# KiCad board coleco_original_main_only.kicad_pcb (continued)
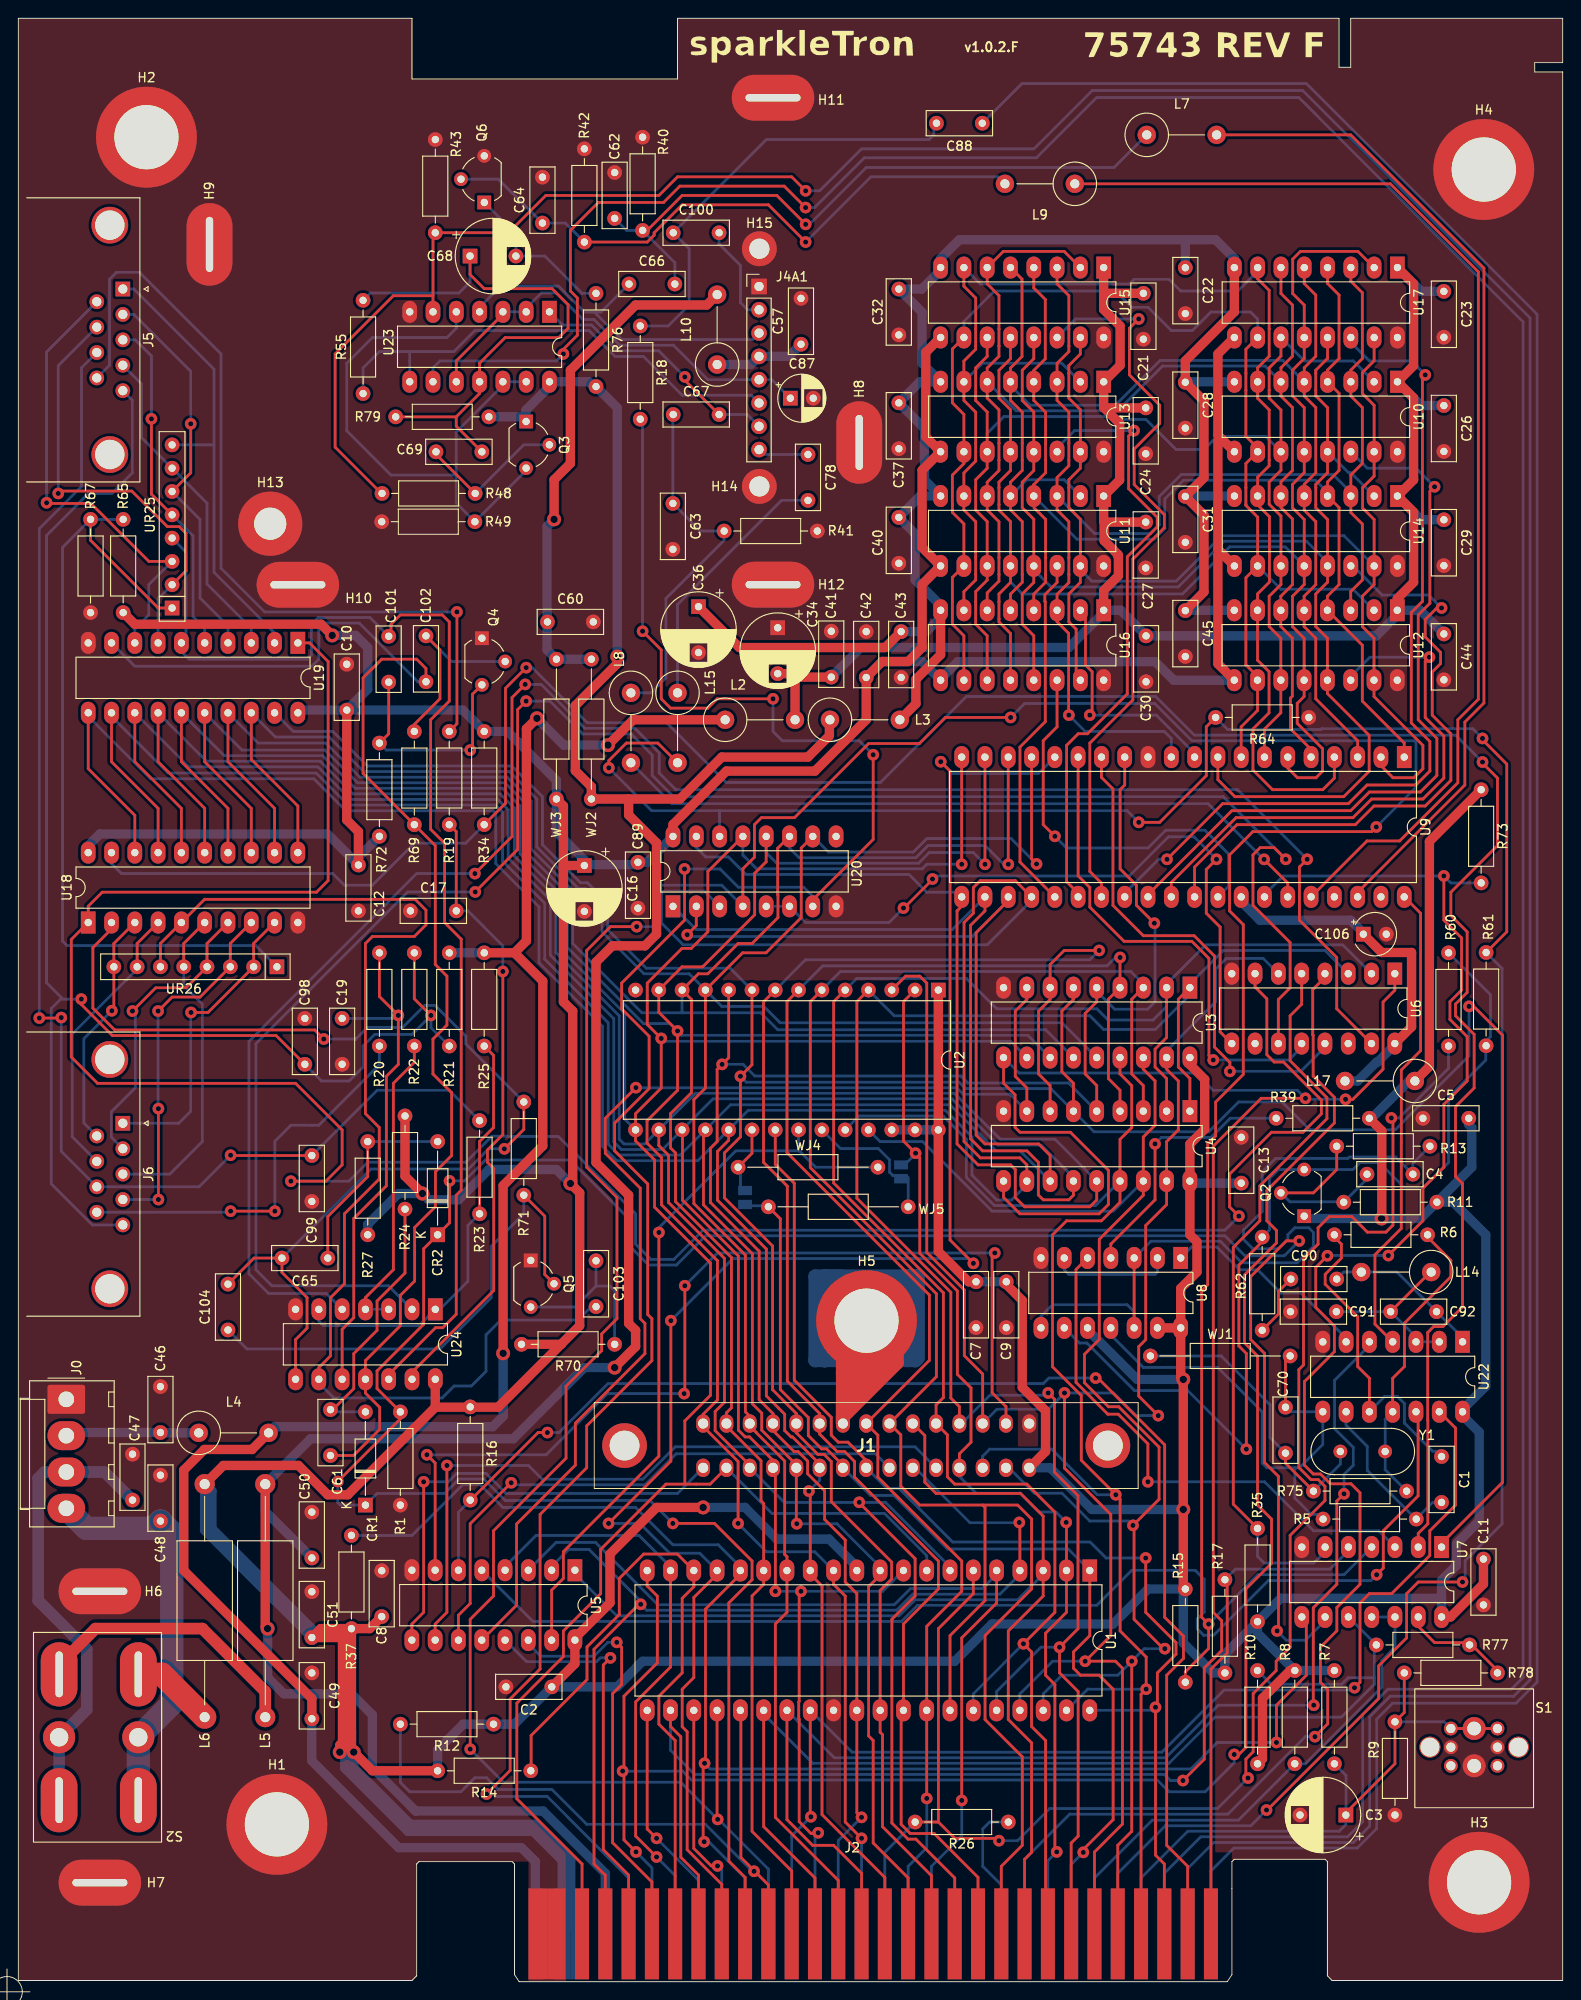
[diagram p0: board, top side]
## Routing (per net, layer and track width the routed paths; a pad name or vN(x,y) marks a point on that pad's centre or on a via; arc(x,y) is an arc through that point) (continued)
/clock_reset_misc_logic/RFSH: length 131.8
  Top w0.305: v1(148.12,44.36) 148.84,45.09 148.84,49.15 152.64,52.95 152.64,61.88 U22.12
  Bottom w0.305: U5.5 56.11,39.26 96.29,39.26 98.04,41.02 117.6,41.02 121.41,44.83 128.34,44.83 129.32,43.85 129.32,40.29 128.56,39.53 128.56,38.45 129.25,37.75 130.34,37.75 136.31,43.72 147.48,43.72 v1(148.12,44.36)
/clock_reset_misc_logic/SND_CLK: length 278.2
  Top w0.305: v1(159.66,135.51) 159.66,135.36 162.31,132.72 162.31,114.43 R61.1 ; v1(122.17,126.37) 124.46,126.37 129.54,131.44 129.54,136.78 R64.2 ; v1(64.39,132.3) 64.39,133.1 66.29,135 69.74,135 L15.2 ; v1(157.48,43.56) 152.65,43.56 151.38,42.29 151.38,37.47 148.34,34.42 148.34,30.86 136.18,18.7 v1(136.11,18.7)
  Bottom w0.305: 76.45,127.64 69.06,127.64 v1(64.39,132.3) ; 76.45,127.64 120.9,127.64 v1(122.17,126.37) ; 76.45,127.64 76.47,127.62 U20.14 ; v1(157.48,43.56) 157.77,43.85 157.77,45.88 161.8,49.91 161.8,110.43 160.02,112.21 ; J2.35 119.89,11.81 125.07,17 134.4,17 v1(136.11,18.7) ; v1(159.66,135.51) 158.6,136.58 142.14,136.58 142.03,136.47 131.88,136.47 R64.2
/clock_reset_misc_logic/VDP_CLK: length 52.1
  Top w0.305: U9.40 152.91,116.45 152.91,101.47 150.81,99.37 150.81,91.48 150.81,91.48 150.81,82.1 147.93,79.22 147.93,71.67 U22.4
/clock_reset_misc_logic/~{CLK}: length 181
  Top w0.305: v1(149.72,94.14) 149.89,93.96 149.89,82.46 149.13,81.69 147.1,81.69 145.41,83.39 142.95,83.39 141.73,82.17 141.73,80.39 140.14,78.8 140.14,67.22 139.63,66.71 139.63,56.04 140.95,54.72 141.74,54.72 142.48,53.99 142.48,52.44 138.68,48.64 138.68,36.45 137.16,34.93 137.16,33.91 134.65,31.4 134.65,25.05 133.86,24.26 133.86,22.43 v1(134.09,22.2) ; R26.2 100.33,17.4 ; U1.6 104.14,42.29 100.33,38.48 100.33,17.4 ; 100.33,17.4 102.11,15.62 106.68,15.62 v1(106.93,15.37)
  Bottom w0.305: J2.45 94.49,14.1 R26.2 ; v1(149.72,94.14) 150.56,94.14 155.96,99.54 R60.1 ; v1(106.93,15.37) 108.97,15.37 112.47,18.87 130.76,18.87 134.08,22.2 v1(134.09,22.2)
/clock_reset_misc_logic/~{CTRL_READ_2}: length 275.1
  Top w0.305: U7.2 152.65,48.86 153.7,49.91 153.7,61.18 153.69,61.2 153.69,70.76 154.33,71.4 155.34,71.4 157.48,73.53 157.48,87 156.72,87.76 156.72,95.38 158.75,97.41 158.75,103.25 156.72,105.28 156.72,106.55 157.99,107.82 157.99,114.43 156.21,116.21 156.21,118.75 161.29,123.83 161.29,131.19 159.66,132.82 v1(159.66,132.93) ; v1(55.38,143.22) 55.37,143.22 53.12,140.97 53.12,128.43 R34.1
  Bottom w0.305: U18.19 10.16,121.86 11.24,120.78 34.29,120.78 35.56,119.51 38.61,119.51 43.18,124.08 48.77,124.08 R34.1 ; v1(159.66,132.93) 156.73,135.86 128.24,135.86 124.02,140.08 103.38,140.08 94.01,130.72 77.18,130.72 70.68,137.22 62.05,137.22 56.04,143.22 v1(55.38,143.22)
/clock_reset_misc_logic/~{INT}: length 171.3
  Top w0.305: U7.8 140.45,39.26 140.45,33.39 137.19,30.13 v1(137.19,26.07) ; v1(74.79,15.25) 74.68,15.36 74.68,23.64 v1(74.83,23.8) 74.93,23.9 74.93,40.61 78.73,44.41 U1.16
  Bottom w0.305: R37.2 42.93,48.64 48.46,54.18 50.34,54.18 52.83,51.69 67.31,51.69 71.37,47.62 76.32,47.62 78.73,45.21 U1.16 ; v1(74.79,15.25) 75.3,15.25 79.25,11.3 J2.51 ; v1(74.83,23.8) 75.44,23.19 127.85,23.19 130.73,26.07 v1(137.19,26.07)
/clock_reset_misc_logic/~{M1}: length 134.9
  Top w0.305: J2.15 91.95,11.81 88.9,14.86 86.61,14.86 83.81,17.66 U1.27 ; v1(141.26,30.13) 141.21,30.18 141.21,40.75 143.78,43.32 143.78,52.39 v1(144.56,53.17)
  Bottom w0.305: v1(144.56,53.17) 144.56,55.28 145.58,56.3 145.58,58.23 143.53,60.28 143.53,65.54 147.33,69.34 U22.5 ; v1(141.26,30.13) 130.84,30.13 125.12,24.41 88.98,24.41 U1.27
/clock_reset_misc_logic/~{RESET}: length 122.5
  Top w0.305: J2.13 86.87,11.3 81.28,16.9 U1.26
  Bottom w0.305: 147.86,32.42 147.86,36.48 R77.2 U7.10 ; 147.86,32.42 144.27,28.83 130.5,28.83 125.47,23.8 125.22,23.8 86.65,23.8 81.28,29.17 U1.26 ; 147.86,32.42 147.86,33.13 145.02,33.13 144.31,32.42 136.62,32.42 R10.2
/clock_reset_misc_logic/~{RFSH}: length 126.2
  Top w0.305: U1.28 86.36,18.04 v1(86.42,17.97) ; v1(145.7,32.04) 146.3,32.64 146.3,41.28 147.32,42.29 149.75,42.29 153.91,46.45 153.91,49.14 156.72,51.94 156.72,60.34 U22.13
  Bottom w0.305: J2.49 84.33,15.88 v1(86.42,17.97) ; U1.28 90.91,25.02 124.71,25.02 131.48,31.78 145.45,31.78 v1(145.7,32.04)
/clock_reset_misc_logic/~{WAIT}: length 407.6
  Top w0.305: R15.2 127.25,33.77 129.79,36.31 v1(129.79,38.97) 129.03,39.73 129.03,75.31 129.69,75.97 129.69,91.31 130.56,92.17 130.56,95.87 133.58,98.89 133.58,115.22 132.08,116.71 132.08,122.81 134.62,125.35 147.57,125.35 v1(148.08,125.86) ; v1(67.43,114.99) 64.57,114.99 61.98,112.4 61.98,88.77 65.28,85.47 65.28,72.26 63.61,70.59 63.61,68.78 59.72,64.89 59.72,57.06 51.81,49.15 51.81,42.03 49.27,39.49 v1(49.27,25.34) ; v1(76.26,17.69) 76.2,17.75 U1.24 ; v1(108.2,137.8) 101.09,137.8 98.25,134.95 92.71,134.95 84.64,126.87 81.03,126.87 80.27,126.11 80.27,122.56 79.01,121.3 U20.4
  Bottom w0.305: v1(49.27,25.34) 52.89,21.73 72.22,21.73 v1(76.26,17.69) 76.36,17.69 81.79,12.26 J2.50 ; U20.4 76.71,119.51 69.63,119.51 69.52,119.4 69.52,115.37 69.15,114.99 v1(67.43,114.99) ; U7.4 144.56,44.36 135.16,44.36 129.79,38.99 v1(129.79,38.97) ; v1(108.2,137.8) 109.73,139.32 123.92,139.32 127.98,135.25 152.26,135.25 152.4,135.12 152.4,130.18 v1(148.08,125.86)
/controller/~{CTRL_EN_1}: length 215.8
  Top w0.305: v1(138.21,122.34) 136.94,123.61 135.42,123.61 134.63,122.82 134.63,117.32 138.68,113.26 138.68,108.33 137.4,107.05 U6.11 ; v1(49.82,118.78) 54.44,123.4 54.44,138.64 v1(55.37,139.57)
  Bottom w0.305: v1(55.37,139.57) 57.97,139.57 61.54,136 66.82,136 69.12,133.7 69.12,131.48 71.44,129.16 131.39,129.16 v1(138.21,122.34) ; v1(49.82,118.78) 42.45,118.78 25.91,102.24 25.91,77.6 27.65,75.85 40.35,75.85 U24.2
/controller/~{CTRL_EN_2}: length 210.4
  Top w0.305: U6.15 143.76,106.05 143.76,111.64 139.7,115.7 139.7,121.49 v1(140.54,122.34) ; v1(55.27,141.4) 53.83,139.96 53.83,124.83 v1(49.78,120.78)
  Bottom w0.305: v1(140.54,122.34) 132.95,129.92 71.7,129.92 69.88,131.73 69.88,133.95 67.23,136.61 61.79,136.61 57,141.4 v1(55.27,141.4) ; v1(49.78,120.78) 43.43,120.78 25.15,102.49 25.15,77.16 27.3,75.01 33.58,75.01 U24.5
/controller/~{CTRL_READ}: length 267
  Top w0.305: U6.7 134.86,108.41 136.14,107.13 136.14,101.04 136.94,100.24 137.96,100.24 138.96,99.23 138.96,99.21 142.09,96.09 142.09,94.59 140.08,92.58 136.65,92.58 132.08,88.01 132.08,84.46 v1(133.1,83.44) ; U19.1 31.75,145.92 33.78,143.89 33.78,120.02 32.51,118.75 9.14,118.75 7.62,117.22 U18.1 5.77,113.6 5.77,100.78 8.64,97.92 30.23,97.92 35.31,92.84 35.31,89.03 33.53,87.25 v1(29.72,87.25)
  Bottom w0.305: v1(133.1,83.44) 131.57,81.91 74.68,81.91 71.48,78.71 68.99,78.71 67.31,80.39 67.31,83.69 58.88,92.12 53.37,92.12 53.35,92.14 51.63,92.14 48.8,89.31 38.1,89.31 36.04,87.25 v1(29.72,87.25)
/cpu/A0: length 205.7
  Top w0.305: U3.5 117.59,106.8 116.33,105.54 116.33,98.93 117.59,97.67 U4.5 ; U2.10 77.46,100.7 v1(76.74,99.98) 76.2,99.44 76.2,91.57 75.47,90.84 75.47,84.93 80.78,79.62 80.78,63.43 82.3,61.92 J1.7 82.3,60.07 84.58,57.78 85.02,57.78 86.07,56.73 86.07,55.36 87.92,53.51 87.92,50.38 90.17,48.13 90.17,43.56 91.44,42.3 U1.30 91.44,18.42 v1(91.95,17.91) ; v1(123.88,115.37) 121.92,117.32 121.92,119.51 120.14,121.29 120.14,129.92 120.65,130.42 U9.13
  Bottom w0.305: v1(91.95,17.91) 89.41,15.37 J2.47 ; v1(123.88,115.37) 123.95,115.29 123.95,106.81 123.14,105.99 119.54,105.99 117.59,107.95 U3.5 ; U4.5 114.53,97.95 103.53,97.95 102.77,98.71 80.3,98.71 79.03,99.98 v1(76.74,99.98)
/cpu/A1: length 355.5
  Top w0.305: U7.1 155.19,47.77 161.85,54.43 161.85,103.16 158.71,106.3 v1(158.19,106.3) ; J2.18 99.57,11.56 94.23,16.89 94.23,26.92 93.98,27.18 U1.31 93.98,42.63 95.23,43.89 95.23,45.73 88.65,52.32 88.65,56.69 87.88,57.46 87.19,57.46 84.84,59.82 J1.9 84.84,61.93 82.25,64.52 82.25,80.19 77,85.44 77,90.33 78.74,92.08 v1(78.74,98.68) 80,99.94 U2.9 ; U4.6 115.05,97.93 113.79,99.19 113.79,105.79 115.05,107.05 U3.6
  Bottom w0.305: U2.9 77.62,110.46 68.48,110.46 64.26,114.68 64.26,117.57 62.06,119.77 61.31,119.77 57.15,123.94 57.15,129.16 53.8,132.51 52.83,132.51 38.05,132.51 34.29,136.27 29.97,136.27 U19.19 ; v1(78.74,98.68) 79.38,98.05 102.58,98.05 103.28,97.34 112.59,97.34 U4.6 117.3,92.63 129.82,92.63 133.07,95.89 137.79,95.89 140.83,92.85 150.15,92.85 150.99,93.69 150.99,93.71 157.01,99.73 158.19,100.91 v1(158.19,106.3)
/cpu/A2: length 178.6
  Top w0.305: U4.7 112.51,97.67 111.25,98.93 111.25,105.79 112.51,107.05 U3.7 112.51,110.86 114.05,112.4 v1(117.86,112.4) ; U2.8 81.26,106.8 81.26,89.3 83.85,86.71 83.85,65.45 87.38,61.93 J1.11 87.38,59.69 89.28,57.78 90.1,57.78 91.19,56.69 91.19,54.99 100.33,45.85 100.33,42.8 96.52,38.98 U1.32 96.27,29.32 96.27,17.15 97.27,16.14 99.88,16.14 104.65,11.37 J2.20
  Bottom w0.305: U2.8 85.84,111.38 116.84,111.38 v1(117.86,112.4)
/cpu/A3: length 173.7
  Top w0.305: U2.7 83.82,106.82 83.82,90.37 99.35,74.84 99.35,67.72 J1.15 93.73,59.56 93.73,54.99 102.87,45.85 102.87,42.55 99.06,38.73 U1.33 v1(99.06,19.97) ; U4.4 120.13,97.16 118.87,98.43 118.87,107.09 U3.4 120.13,111.62 v1(120.14,111.63)
  Bottom w0.305: U2.7 87.72,110.72 118.72,110.72 119.63,111.63 v1(120.14,111.63) ; J2.44 97.03,12.57 99.06,14.6 v1(99.06,19.97)
/cpu/A4: length 204
  Top w0.305: U3.3 121.41,107.09 121.41,98.93 122.67,97.67 U4.3 ; U1.34 101.59,37.71 105.41,41.53 105.41,51.69 105.16,51.94 ; J2.21 107.19,12.57 109.47,14.86 109.47,24.51 105.42,28.57 105.42,37.73 110.49,42.8 110.49,50.43 108.98,51.94 105.16,51.94 ; 105.16,51.94 98.3,51.94 96.23,54.01 96.23,59.6 J1.17 100.11,65.95 100.11,74.98 86.36,88.73 86.36,106.82 U2.6
  Bottom w0.305: U2.6 89.65,110.11 121.31,110.11 122.67,108.75 U3.3
/cpu/A5: length 211.1
  Top w0.305: U3.2 125.21,102.9 123.95,101.65 123.95,99.69 125.21,98.44 U4.2 ; J2.23 112.01,5.46 112.01,26.29 110.49,27.81 110.49,35.94 v1(109.6,36.83) 113.03,40.26 113.03,51.18 109.98,54.23 102.11,54.23 101.31,55.03 101.31,59.6 J1.21 100.08,62.87 100.87,63.66 100.87,75.09 88.9,87.06 88.9,106.82 U2.5
  Bottom w0.305: U2.5 91.43,109.35 103.38,109.35 106.68,106.05 117.6,106.05 118.84,104.81 123.73,104.81 125.21,106.29 U3.2 125.21,108.75 129.47,113 144.42,113 U6.2 ; U1.35 104.14,31.36 v1(109.6,36.83)
/cpu/A6: length 210.6
  Top w0.305: U3.1 126.49,107.09 126.49,99.69 127.75,98.44 U4.1 ; J1.23 102.62,62.68 101.68,63.61 101.68,75.14 91.44,85.38 91.44,106.82 U2.4 ; v1(112.3,64.17) 112.98,63.49 112.98,55.55 115.55,52.98 115.55,38.46 v1(113.54,36.45) 113.54,33.66 115.57,31.62 115.57,15.88 114.81,15.11 J2.24
  Bottom w0.305: U6.3 142.49,112.4 131.4,112.4 127.75,108.75 U3.1 127.75,107.56 123.99,103.79 118.33,103.79 116.84,105.28 95.5,105.28 U2.4 ; v1(113.54,36.45) 111.51,36.45 106.68,31.62 U1.36 ; J1.23 102.87,60.83 105.95,63.91 112.05,63.91 v1(112.3,64.17)
/cpu/A7: length 216.4
  Top w0.305: U3.17 125.21,99.45 126.49,98.17 126.49,92.84 125.21,91.56 U4.17 125.21,84.7 122.94,82.42 122.94,69.98 122.17,69.22 122.17,63.83 v1(124.31,61.69) ; J2.25 117.35,14.12 120.4,17.17 120.4,34.16 119.63,34.93 v1(116.33,34.93) 119.13,37.72 119.13,50.93 114.08,55.97 v1(114.08,64.17) ; J1.25 105.16,66.24 103.16,68.23 103.16,75.39 99.06,79.49 99.06,108.84 98.3,109.6 96.76,109.6 U2.3
  Bottom w0.305: v1(124.31,61.69) 121.89,61.69 119.41,64.17 v1(114.08,64.17) 112.3,62.39 106.71,62.39 J1.25 ; v1(116.33,34.93) 112.78,34.93 109.22,31.36 U1.37 ; U3.17 125.21,101.46 130.56,106.81 130.56,110.36 131.72,111.53 135.74,111.53 U6.6
/cpu/A8: length 173.8
  Top w0.305: v1(125.02,36.29) 124.87,36.29 121.67,39.5 121.67,49.61 v1(121.55,49.73) 124.39,52.58 124.39,58.26 119.99,62.66 118.88,62.66 116.26,65.28 116.26,68.38 117.87,69.99 117.87,80.92 122.67,85.72 U4.16 122.67,92.06 123.95,93.34 123.95,98.17 122.67,99.45 U3.16 ; v1(121.41,34.93) 121.41,16.38 119.89,14.86 J2.26
  Bottom w0.305: U4.16 119.39,83.98 106.19,83.98 98.61,91.57 93.98,91.57 U2.25 ; J1.28 108.02,56.01 110.78,53.25 113.79,53.25 116.84,50.2 121.08,50.2 v1(121.55,49.73) ; v1(125.02,36.29) 122.78,36.29 v1(121.41,34.93) 119.89,33.4 113.79,33.4 111.75,31.36 U1.38
/cpu/A9: length 172.3
  Top w0.305: J2.27 122.43,31.32 v1(122.99,31.88) 122.99,35.38 120.14,38.23 120.14,52.6 v1(119.67,53.07) 115.91,56.83 115.91,63.88 112.78,67.02 112.78,81.41 114.3,82.93 118.11,82.93 120.13,84.95 U4.15 120.13,91.81 121.41,93.09 121.41,97.66 120.13,98.94 U3.15
  Bottom w0.305: v1(122.99,31.88) 116.61,31.88 U1.39 ; v1(119.67,53.07) 117.66,53.07 112.69,58.04 105.92,58.04 105.16,57.28 J1.26 ; U2.24 91.68,94.36 100.84,94.36 103.38,91.82 103.38,87.66 106.45,84.59 117.46,84.59 U4.15
/cpu/A10: length 127.1
  Top w0.305: v1(122.94,46.18) 122.94,40.26 126.24,36.96 126.24,35.69 124.21,33.66 124.21,30.11 v1(124,29.91) 124,13.79 124.97,12.83 J2.28 ; U2.21 82.54,89.09 84.62,87.02 84.62,65.55 88.65,61.52 88.65,59.56 89.41,58.8 90.47,58.8 92.46,56.81 J1.16
  Bottom w0.305: U1.40 123.67,29.57 v1(124,29.91) ; v1(122.94,46.18) 118.61,46.18 116.87,47.91 101.89,47.91 96.05,53.75 94.71,53.75 J1.16
/cpu/A11: length 112
  Top w0.305: v1(116.13,14.09) 116.13,14.4 119.38,17.65 119.38,31.88 117.86,33.4 115.82,33.4 115.06,34.16 115.06,35.94 116.84,37.71 U1.1 ; J1.14 89.92,56.29 88.13,58.07 87.6,58.07 86.14,59.52 86.14,61.48 83.09,64.53 83.09,83.15 WJ5.1
  Bottom w0.305: 78.74,84.57 81.68,84.57 WJ5.1 ; J2.37 114.81,12.77 v1(116.13,14.09) ; J1.14 92.93,52.99 95.5,52.99 101.34,47.15 114.5,47.15 U1.1
/cpu/A12: length 119.1
  Top w0.305: J1.24 102.62,57.53 103.89,58.8 103.89,64.71 102.4,66.2 102.4,75.29 98.3,79.39 98.3,89.84 v1(97.84,90.3) 96.52,91.62 96.52,106.82 U2.2 ; v1(113.23,14.15) 113.03,14.35 113.03,32.39 112.01,33.4 112.01,37.97 114.3,40.25 U1.2 114.3,50.03 v1(114.26,50.06)
  Bottom w0.305: v1(97.84,90.3) 97.84,90.24 96.77,89.17 ; J2.38 112.27,13.18 v1(113.23,14.15) ; J1.24 102.62,55.06 104.43,53.25 109.25,53.25 111.32,51.18 113.14,51.18 v1(114.26,50.06)
/cpu/A13: length 125.5
  Top w0.305: J2.22 109.73,13.34 110.49,14.1 110.49,26.03 107.95,28.58 107.95,38.23 111.75,42.03 U1.3 111.75,50.75 109.29,53.21 100.08,53.21 98.84,54.44 98.84,59.52 J1.19
  Bottom w0.305: U1.3 111.75,44.41 108.97,41.63 97.79,41.63 96.03,39.87 65.26,39.87 60.69,44.45 U5.1
/cpu/A14: length 115.2
  Top w0.305: U1.4 109.22,49.98 v1(109.15,50.05) ; J2.4 64.01,11.59 62.77,12.83 62.77,36.23 67.67,41.13 v1(67.87,41.13)
  Bottom w0.305: U1.4 109.22,44.41 107.04,42.24 97.54,42.24 95.78,40.48 68.52,40.48 v1(67.87,41.13) 67.87,41.48 62.23,47.12 60.02,47.12 58.15,45.25 U5.2 ; v1(109.15,50.05) 109.12,50.03 103.77,50.03 97.79,56.01 J1.20
/cpu/A15: length 99.5
  Top w0.305: U1.5 106.68,41.27 102.87,37.47 v1(102.87,19.75)
  Bottom w0.305: U5.3 58.64,47.88 62.94,47.88 69.73,41.09 95.53,41.09 97.29,42.85 105.11,42.85 106.68,44.41 U1.5 ; J2.43 99.57,12.57 102.87,15.88 v1(102.87,19.75)
/cpu/D0: length 302.6
  Top w0.305: J2.14 89.41,11.05 82.55,17.91 82.55,38.99 83.81,40.25 U1.14 83.81,46.32 83.57,46.56 83.57,56.74 80.46,59.85 80.46,59.88 79.76,60.58 J1.5 79.76,61.64 79.28,62.11 79.28,79.19 73.66,84.81 73.66,96.14 74.92,97.4 U2.11 78.98,112.14 81.53,112.14 85.37,115.98 85.37,123.57 U20.10 ; U19.18 25.4,133.22 30.48,128.14 U18.11 ; v1(111.03,121.83) 110.49,122.37 U9.17
  Bottom w0.305: v1(111.03,121.83) 108.27,124.59 99.06,124.59 97.6,123.12 88.33,123.12 U20.10 ; U3.14 113.8,104.52 83.06,104.52 81.28,106.3 76.7,106.3 U2.11 73.15,109.86 68.23,109.86 63.65,114.43 63.65,117.32 61.81,119.17 61.06,119.17 56.54,123.69 56.54,128.91 53.55,131.9 53.08,131.9 37.65,131.9 33.88,135.66 28.04,135.66 U19.18
/cpu/D1: length 307
  Top w0.305: U18.12 27.94,127.89 22.86,132.97 U19.17 ; J2.12 84.33,12.06 80.01,16.38 80.01,42.04 81.28,43.31 U1.15 81.28,52.12 80.99,52.41 80.99,56.78 77.22,60.55 J1.3 77.22,62 77.76,62.55 77.76,78.93 71.66,85.03 71.66,90.33 71.12,90.87 71.12,94.62 73.41,96.9 73.41,107.06 U2.12 74.15,109.86 75.19,109.86 78.49,113.16 80.01,113.16 82.83,115.98 82.83,118.46 82.8,118.49 82.8,123.54 U20.11 ; U9.18 107.94,121.8 v1(107.95,121.79)
  Bottom w0.305: U2.12 72.38,105.68 72.46,105.6 ; 72.46,105.6 80.96,105.6 82.8,103.76 112.02,103.76 U3.13 ; 72.46,105.6 68,105.6 60.45,113.15 60.45,118.91 55.93,123.44 55.93,128.66 53.3,131.29 52.83,131.29 37.24,131.29 33.53,135 26.16,135 U19.17 ; v1(107.95,121.79) 107.44,121.79 105.41,123.83 99.19,123.83 97.88,122.51 85.13,122.51 84.09,123.56 U20.11
/cpu/D2: length 312.2
  Top w0.305: J1.1 74.68,61.85 76.23,63.41 76.23,78.58 70.14,84.68 70.14,89.82 68.56,91.4 68.56,93.83 71.88,97.16 v1(71.88,103.62) 69.84,105.66 U2.13 72.38,110.62 74.62,110.62 80.29,116.29 80.29,120.8 81.55,122.06 U20.12 ; U18.13 25.4,127.89 20.32,132.97 U19.16 ; v1(91.95,15.62) 90.17,17.4 90.17,42.03 88.9,43.31 U1.12 ; v1(105.41,121.79) 105.41,121.8 U9.19 ; v1(78.49,49.94) 78.49,56.69 74.68,60.5
  Bottom w0.305: J2.46 v1(91.95,15.62) ; U19.16 24.38,134.24 33.43,134.24 36.99,130.68 53.04,130.68 55.32,128.41 55.32,123.18 59.84,118.66 59.84,112.75 68.16,104.44 71.07,104.44 v1(71.88,103.62) 72.35,103.15 110.09,103.15 U3.12 ; U1.12 86.84,46.86 81.57,46.86 v1(78.49,49.94) ; U20.12 81.55,123.05 82.69,121.9 98.16,121.9 99.31,123.06 104.14,123.06 v1(105.41,121.79)
/cpu/D3: length 353.4
  Top w0.305: J2.3 61.47,12.83 54.36,19.94 54.36,30.35 59.44,35.43 59.44,36.3 59.43,36.31 59.43,38.22 63.5,42.29 63.5,47.12 70.61,54.23 75.44,54.23 J1.4 ; U20.13 75.19,121 75.19,114.43 73.38,112.62 72.37,112.62 68.58,108.84 68.58,104.34 v1(70.1,102.81) 70.1,97.41 67.3,94.61 U2.15 67.3,91.65 69.38,89.57 69.38,84.42 75.47,78.33 75.47,63.91 72.68,61.12 72.68,54.26 72.68,54.26 ; U9.20 102.87,121.8 v1(102.87,121.79) ; U18.14 22.86,127.89 17.78,132.97 U19.15
  Bottom w0.305: v1(102.87,121.79) 99.06,121.79 98.56,121.3 80.51,121.3 79.01,122.79 U20.13 ; U2.15 66.14,94 66.14,105.51 59.23,112.42 59.23,118.41 54.71,122.93 54.71,128.15 52.79,130.07 36.73,130.07 33.18,133.63 22.45,133.63 U19.15 ; v1(70.1,102.81) 70.43,102.49 108.21,102.49 U3.11 ; U1.8 99.06,46.43 94.45,51.03 82.19,51.03 J1.4
/cpu/D4: length 364
  Top w0.305: U2.16 69.84,91.14 70.9,90.08 70.9,84.93 77,78.83 77,63.15 75.98,62.14 75.98,60.06 79.76,56.29 J1.6 ; U4.14 117.59,85.21 116.84,84.46 109.73,84.46 108.71,85.47 108.71,88.52 108.2,89.03 104.65,89.03 102.36,91.31 102.36,116.71 102.87,117.22 U9.21 ; U19.14 15.24,132.97 20.32,127.89 U18.15 ; J2.19 102.11,11.3 97.88,15.53 97.02,15.53 95.26,17.29 95.26,39.5 97.79,42.04 97.79,46.1 91.69,52.2 v1(91.69,52.25)
  Bottom w0.305: U1.7 101.59,45.21 94.58,52.23 91.71,52.23 v1(91.69,52.25) 91.68,52.23 83.53,52.23 J1.6 ; U19.14 20.52,133.02 32.92,133.02 36.48,129.46 52.54,129.46 54.1,127.9 54.1,122.68 58.62,118.16 58.62,112.16 65.53,105.26 65.53,91.82 66.04,91.31 68.31,91.31 U2.16 73.83,96.83 102.07,96.83 107.08,91.82 113.03,91.82 U4.14 ; U20.15 73.93,123.62 74.96,122.59 77.44,122.59 79.34,120.69 97.12,120.69 99.06,118.75 102.36,118.75 U9.21
/cpu/D5: length 349.6
  Top w0.305: U2.17 72.42,92.8 72.42,85.18 78.52,79.09 78.52,77.89 ; U19.13 12.7,132.97 17.78,127.89 U18.16 ; 78.52,77.83 78.52,60.11 79.26,59.38 79.73,59.38 82.3,56.81 J1.8 82.55,55.75 v1(82.55,42.55) ; U4.13 115.05,85.72 114.55,85.22 111.76,85.22 111.23,85.75 111.23,89.3 109.98,90.55 105.16,90.55 103.84,91.87 103.84,115.14 105.41,116.71 U9.22 ; 86.69,16.23 86.6,16.14 86.45,16.14 85.15,17.44 85.15,28.6 85.1,28.65 85.1,30.49 85.15,30.54 85.15,42.35 v1(85.34,42.55)
  Bottom w0.305: U19.13 18.59,132.41 32.67,132.41 36.23,128.85 52.29,128.85 53.42,127.73 53.42,122.48 58.01,117.88 58.01,111.89 64.92,104.98 64.92,91.54 65.76,90.7 70.24,90.7 U2.17 75.76,96.22 101.82,96.22 106.84,91.19 111.52,91.19 115.05,87.66 U4.13 ; U9.22 101.85,114.68 73.91,114.68 U20.1 ; J2.48 86.87,15.88 v1(87.22,16.23) ; v1(82.55,42.55) v1(85.34,42.55) 94.25,42.55 U1.9
/cpu/D6: length 340.5
  Top w0.305: J2.17 97.03,11.3 93.22,15.11 93.22,26.29 92.72,26.79 92.72,43.06 93.98,44.32 U1.10 ; v1(72.94,114.11) 73.93,115.11 U20.2 ; v1(84.89,49.91) 84.84,49.96 J1.10 84.84,56.34 81.07,60.11 81.07,61.96 80.04,62.99 80.04,79.34 74.71,84.68 74.71,92.63 U2.18 ; U18.17 15.24,127.89 10.16,132.97 U19.12 ; U4.12 112.51,90.05 111.25,91.31 105.41,91.31 104.45,92.28 104.45,114.34 107.94,117.84 U9.23
  Bottom w0.305: U9.23 107.94,117.84 104.03,113.92 73.13,113.92 v1(72.94,114.11) ; U4.12 109.19,90.59 106.59,90.59 101.6,95.58 77.66,95.58 U2.18 72.17,90.09 65.51,90.09 64.31,91.29 64.31,104.54 57.39,111.46 57.39,117.55 52.85,122.1 52.81,122.1 52.81,127.47 52.04,128.24 35.97,128.24 32.48,131.73 16.33,131.73 10.16,137.9 U19.12 ; U1.10 93.98,45.21 89.28,49.91 v1(84.89,49.91)
/cpu/D7: length 360.6